# Altium PCB LimeSDR_Mini_1v0_Rounded.PcbDoc (part 1 of 5) (continued)
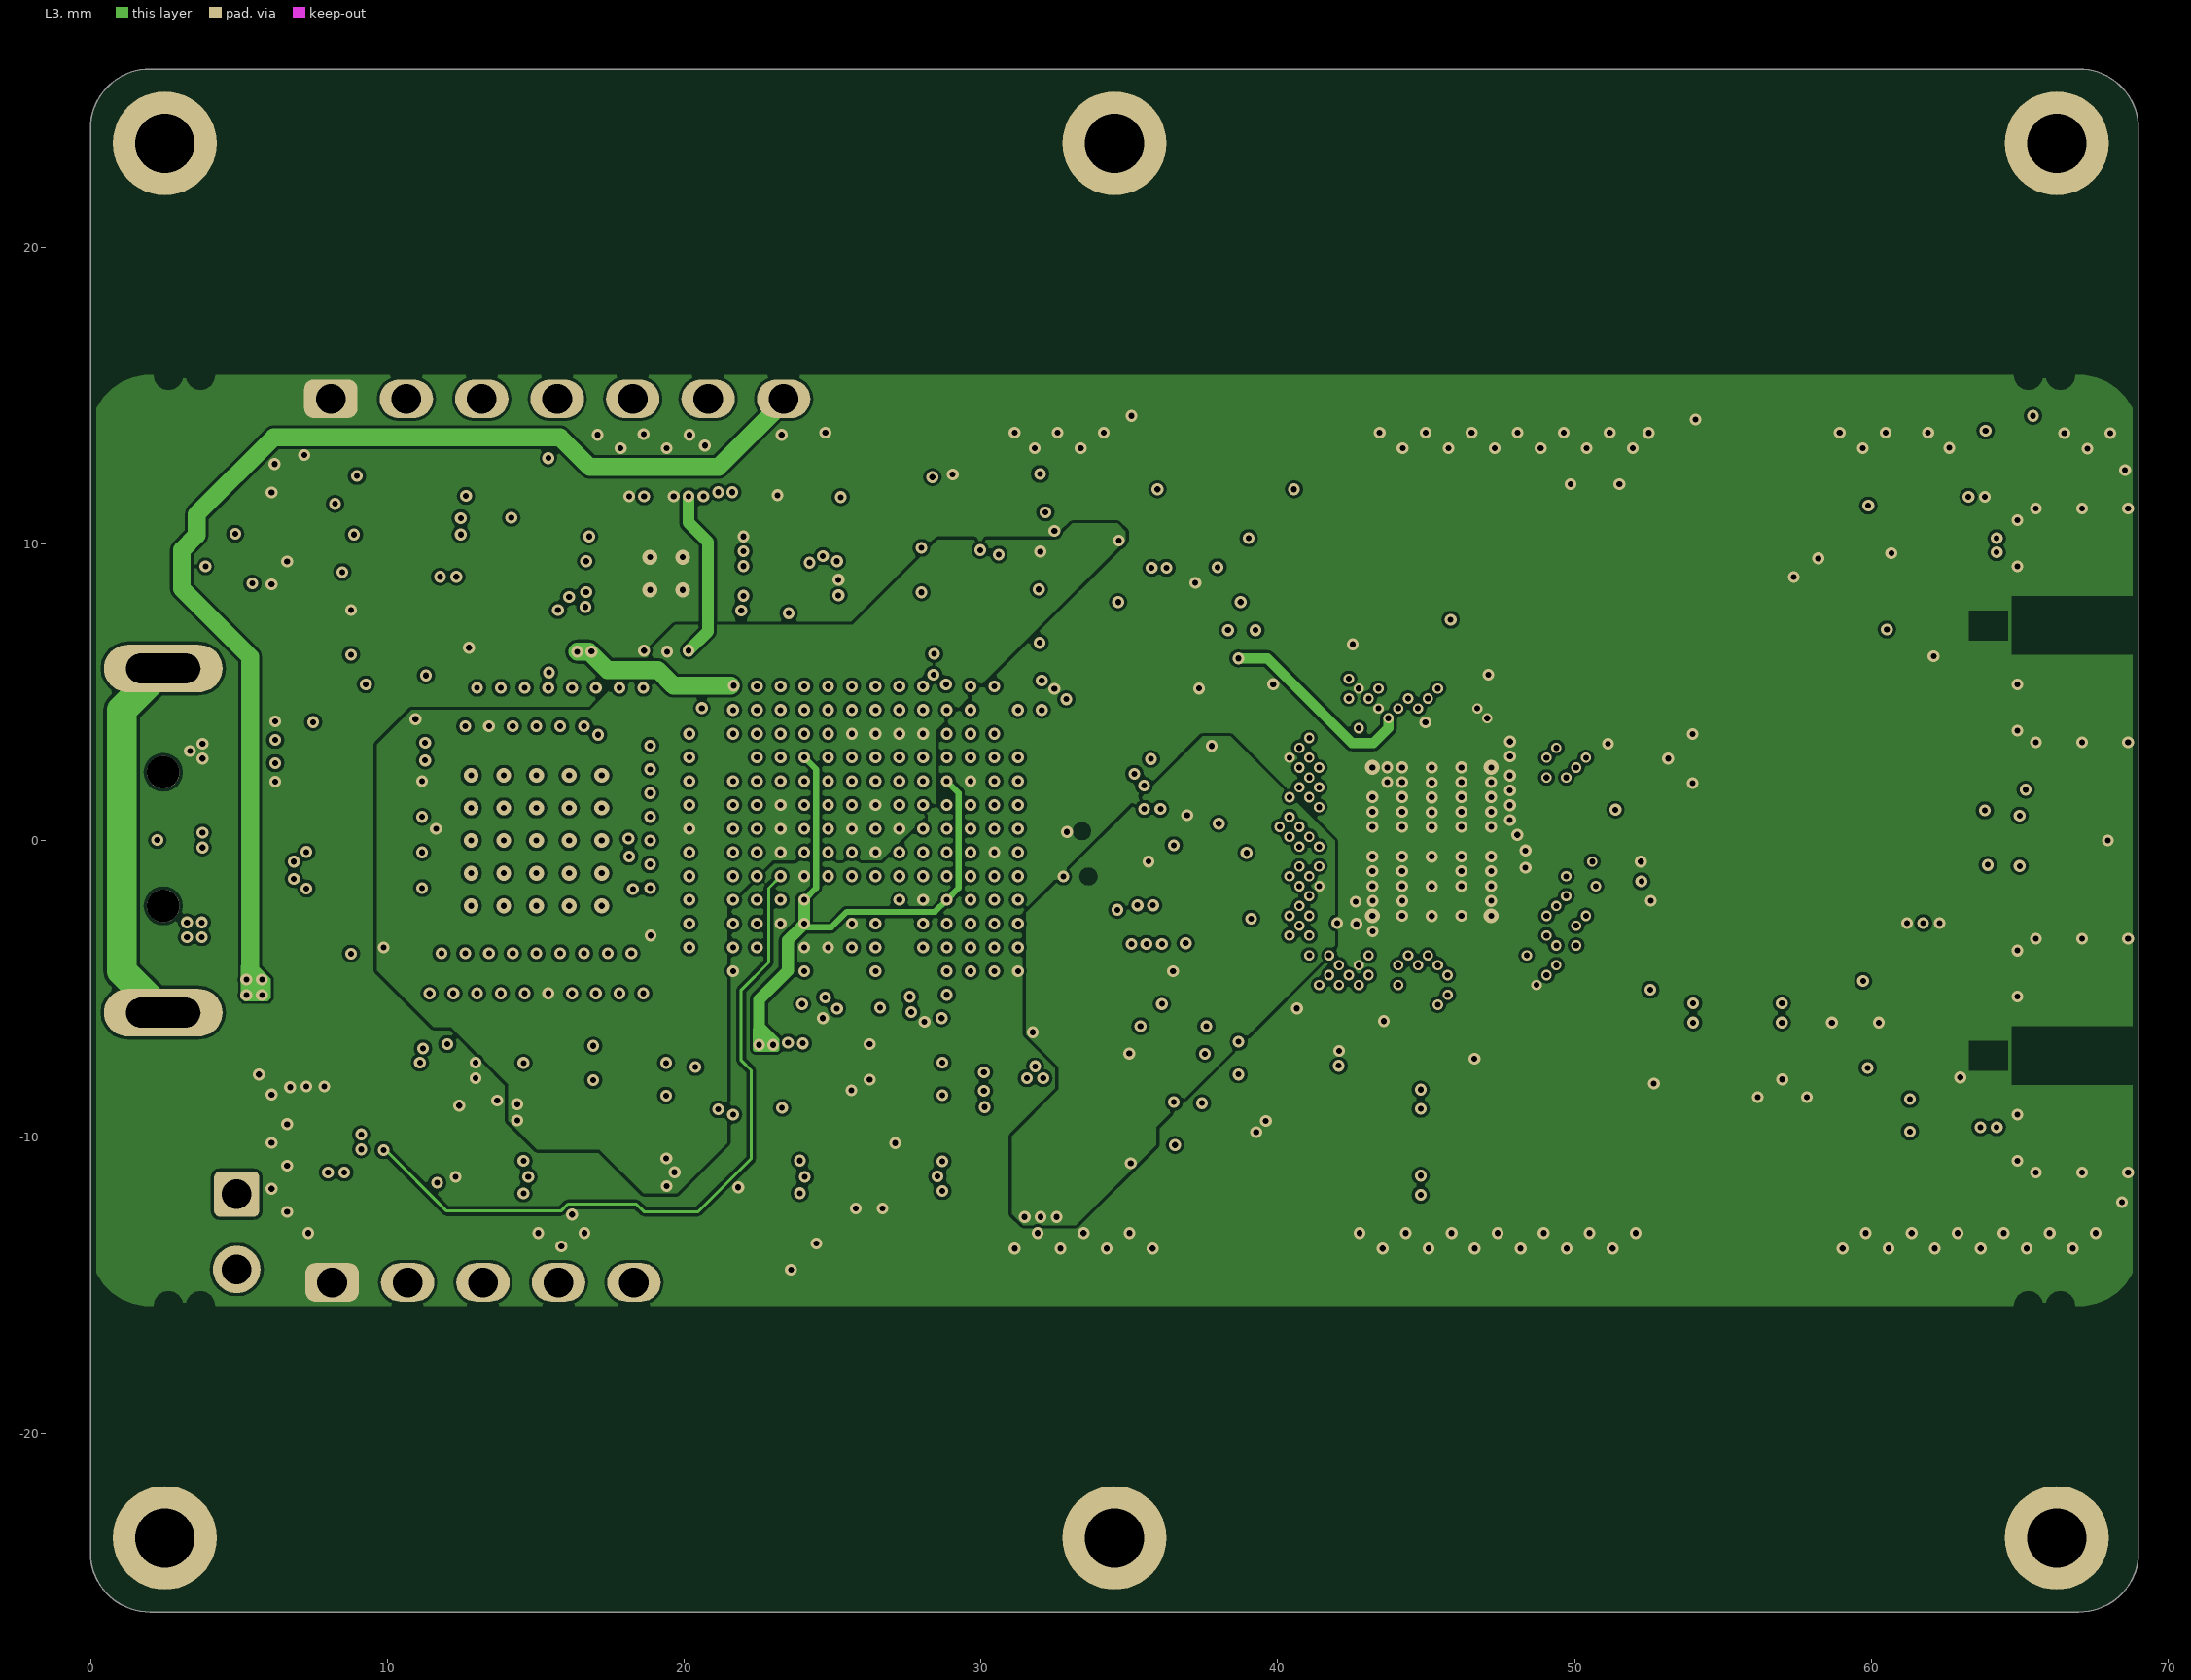
[diagram p3: L3]
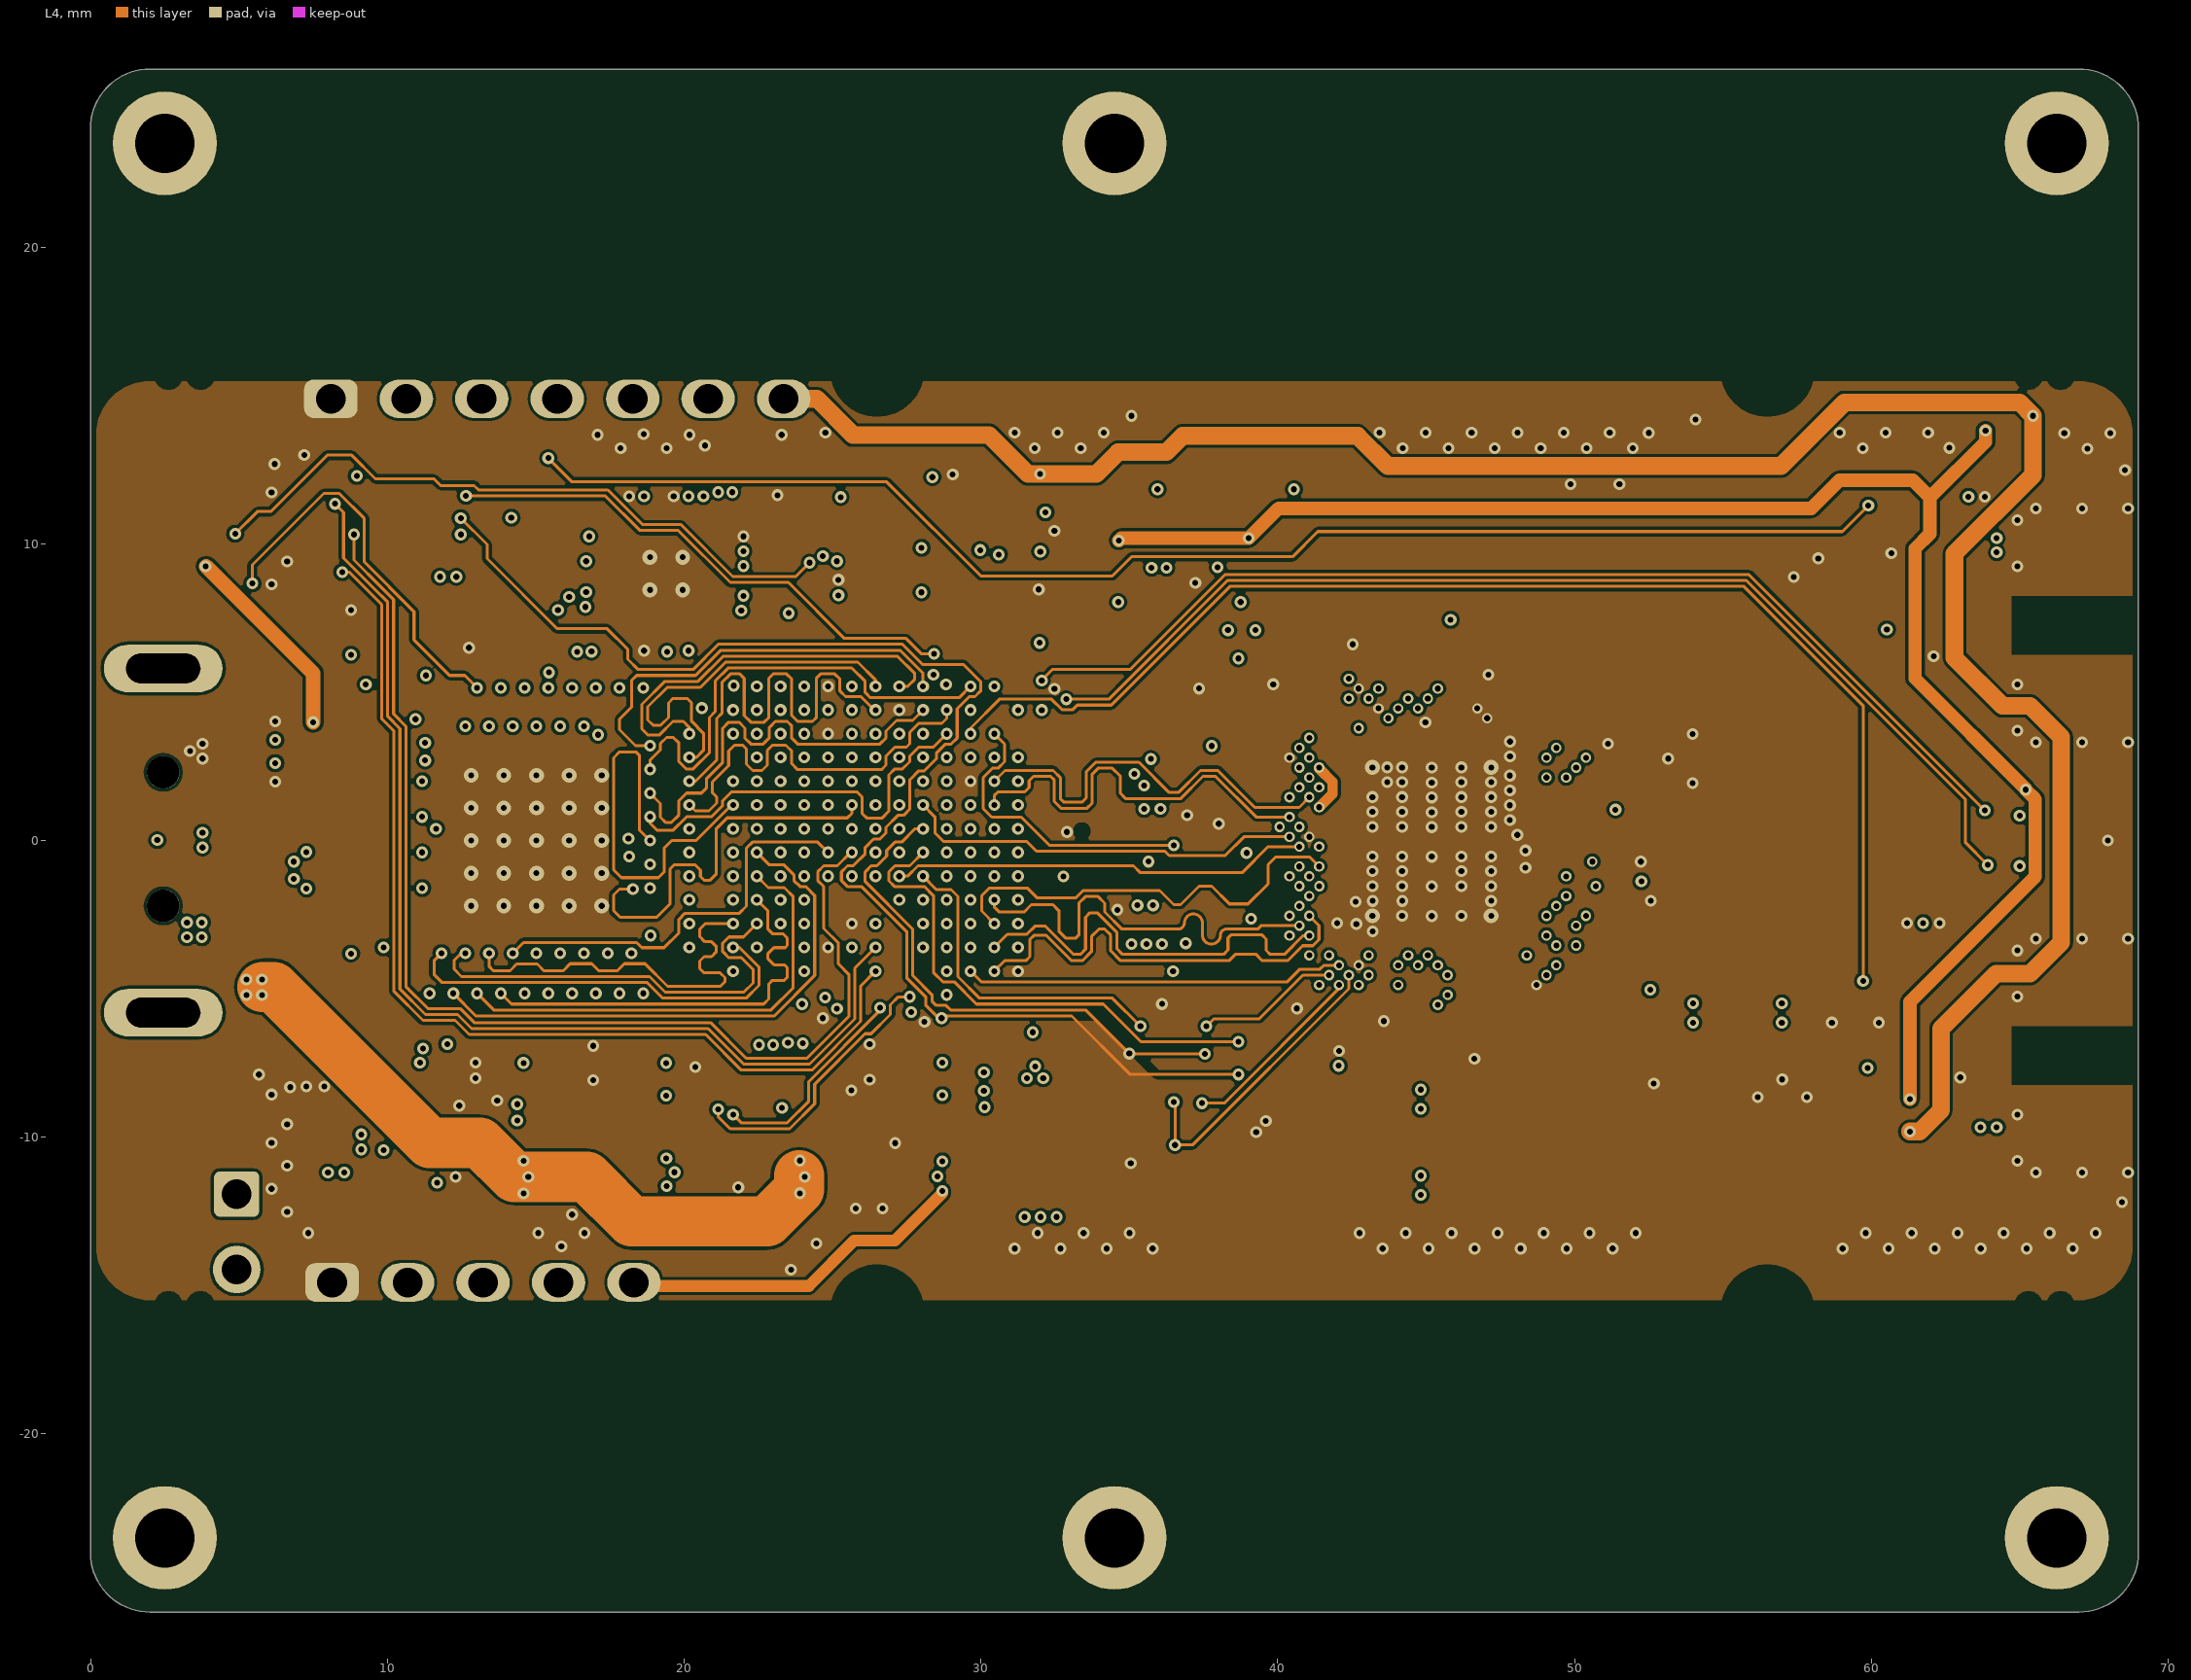
[diagram p4: L4]
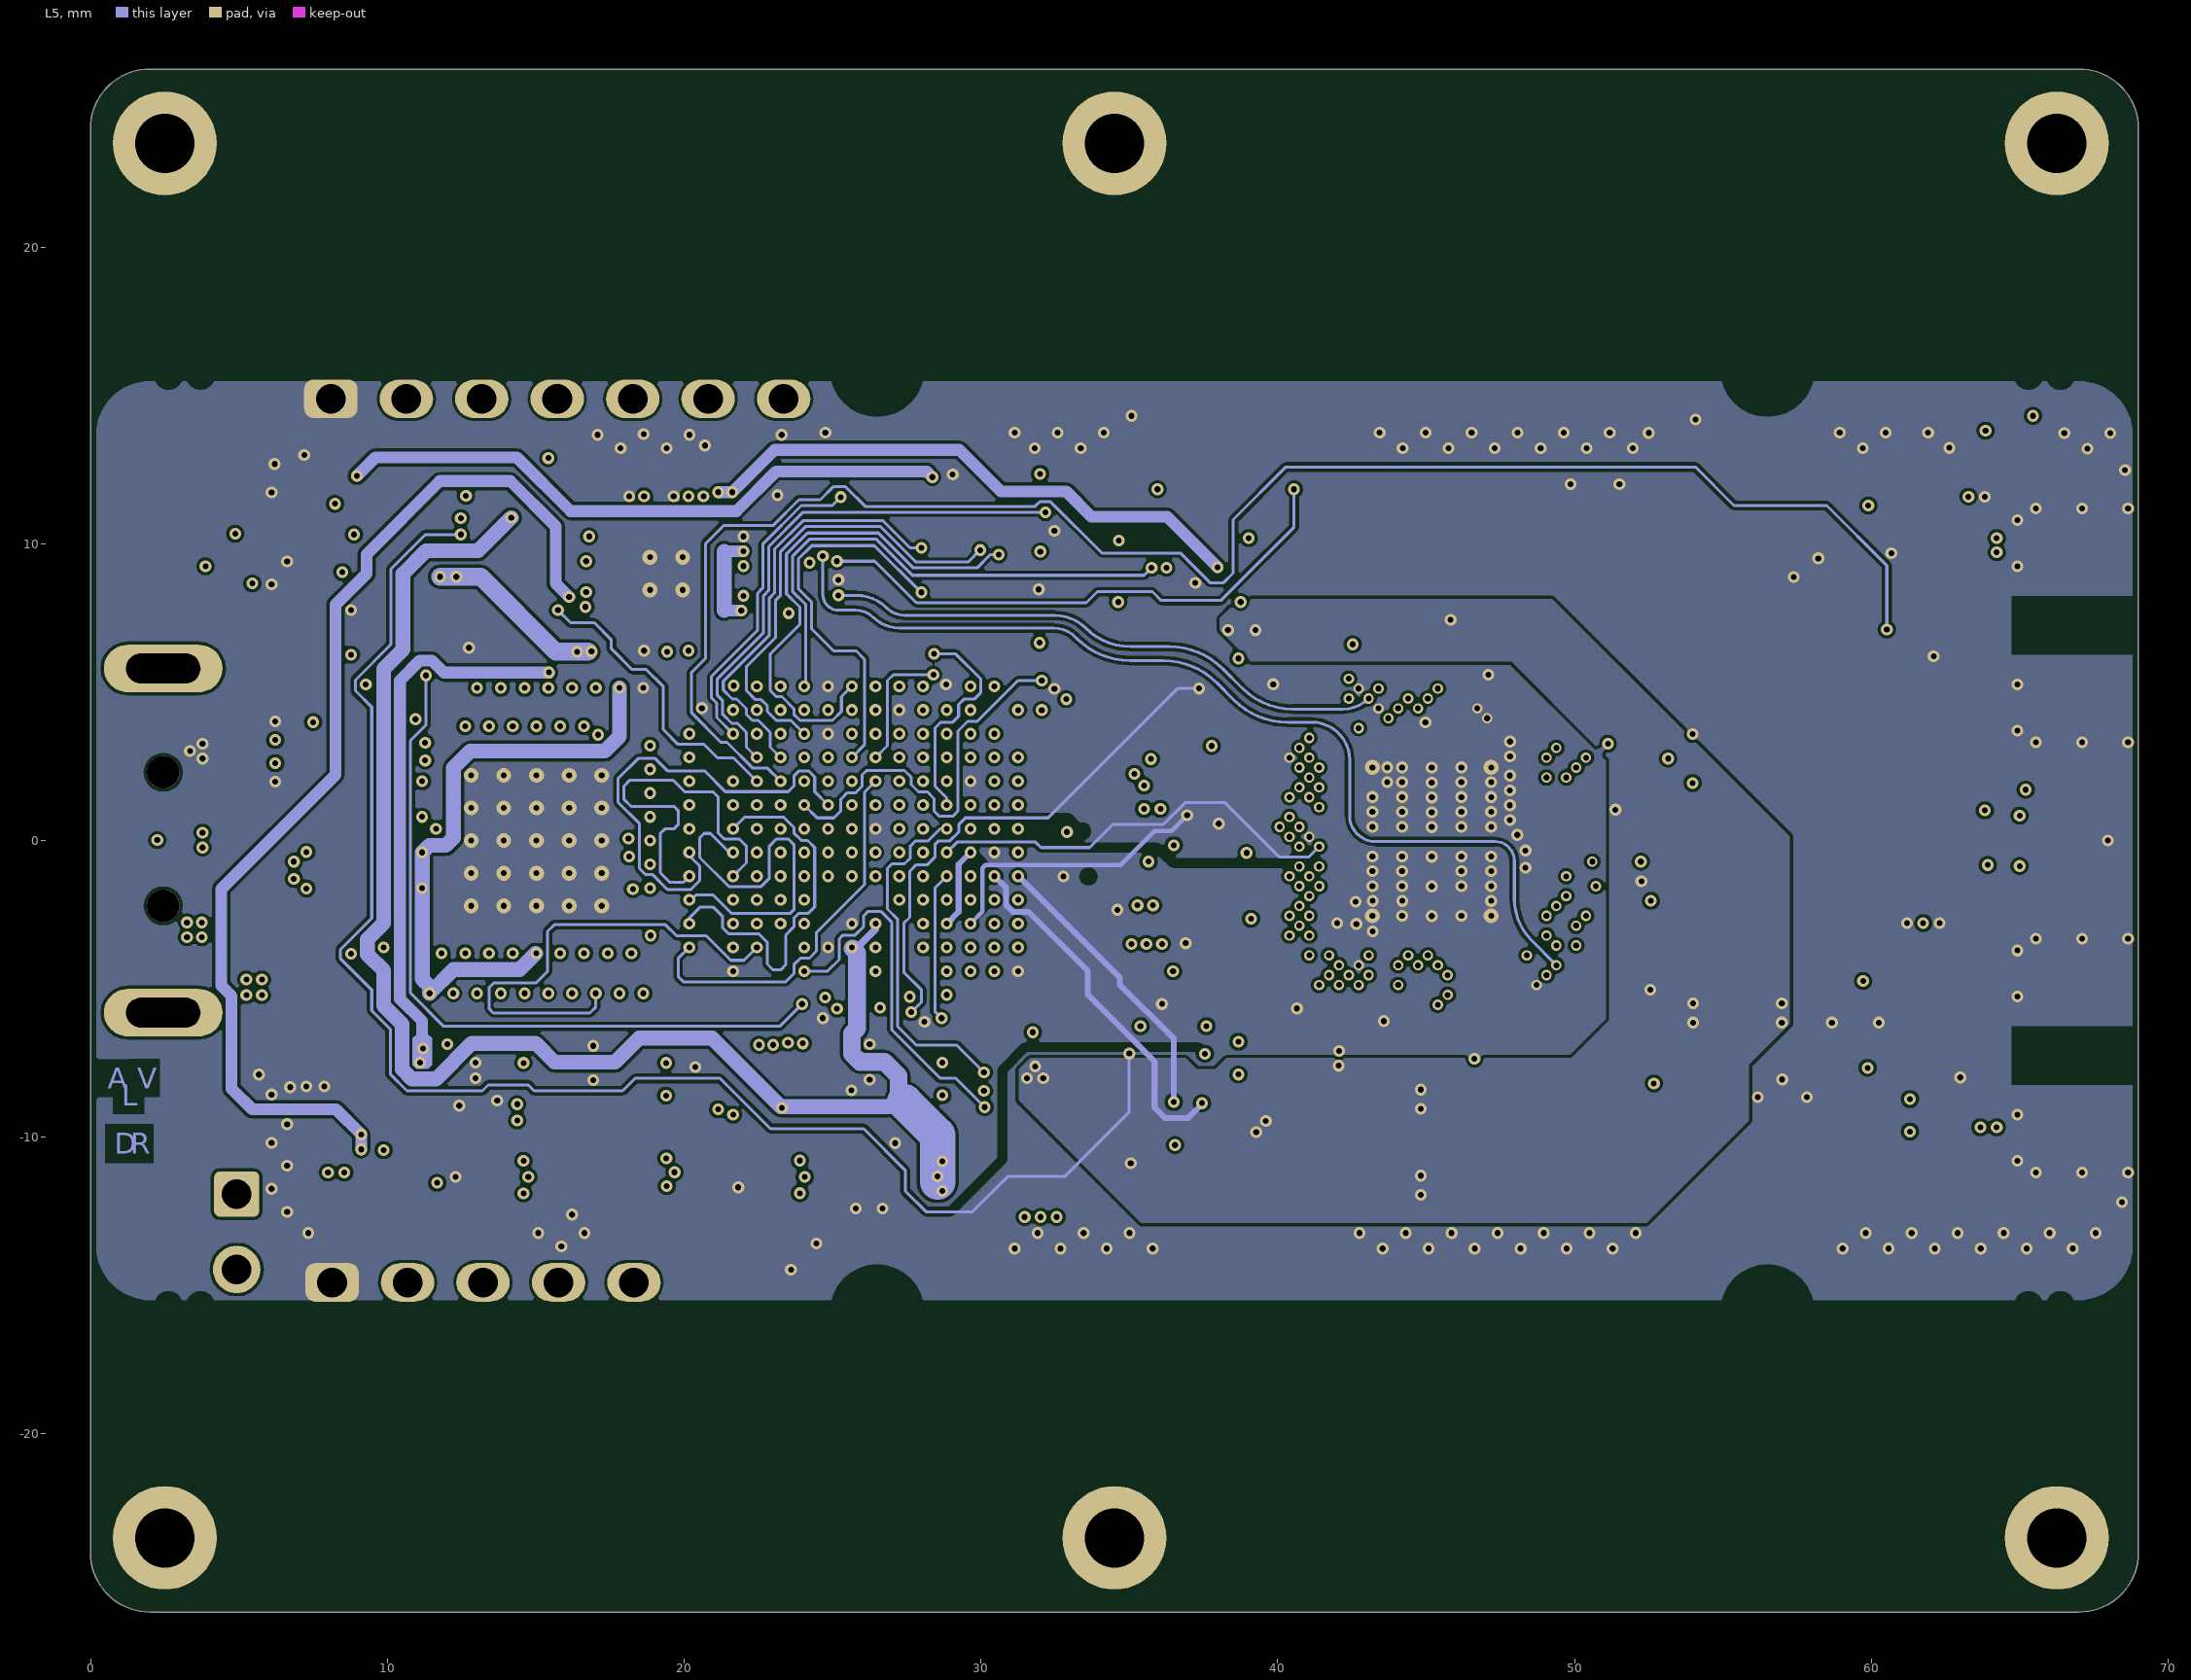
[diagram p5: L5]
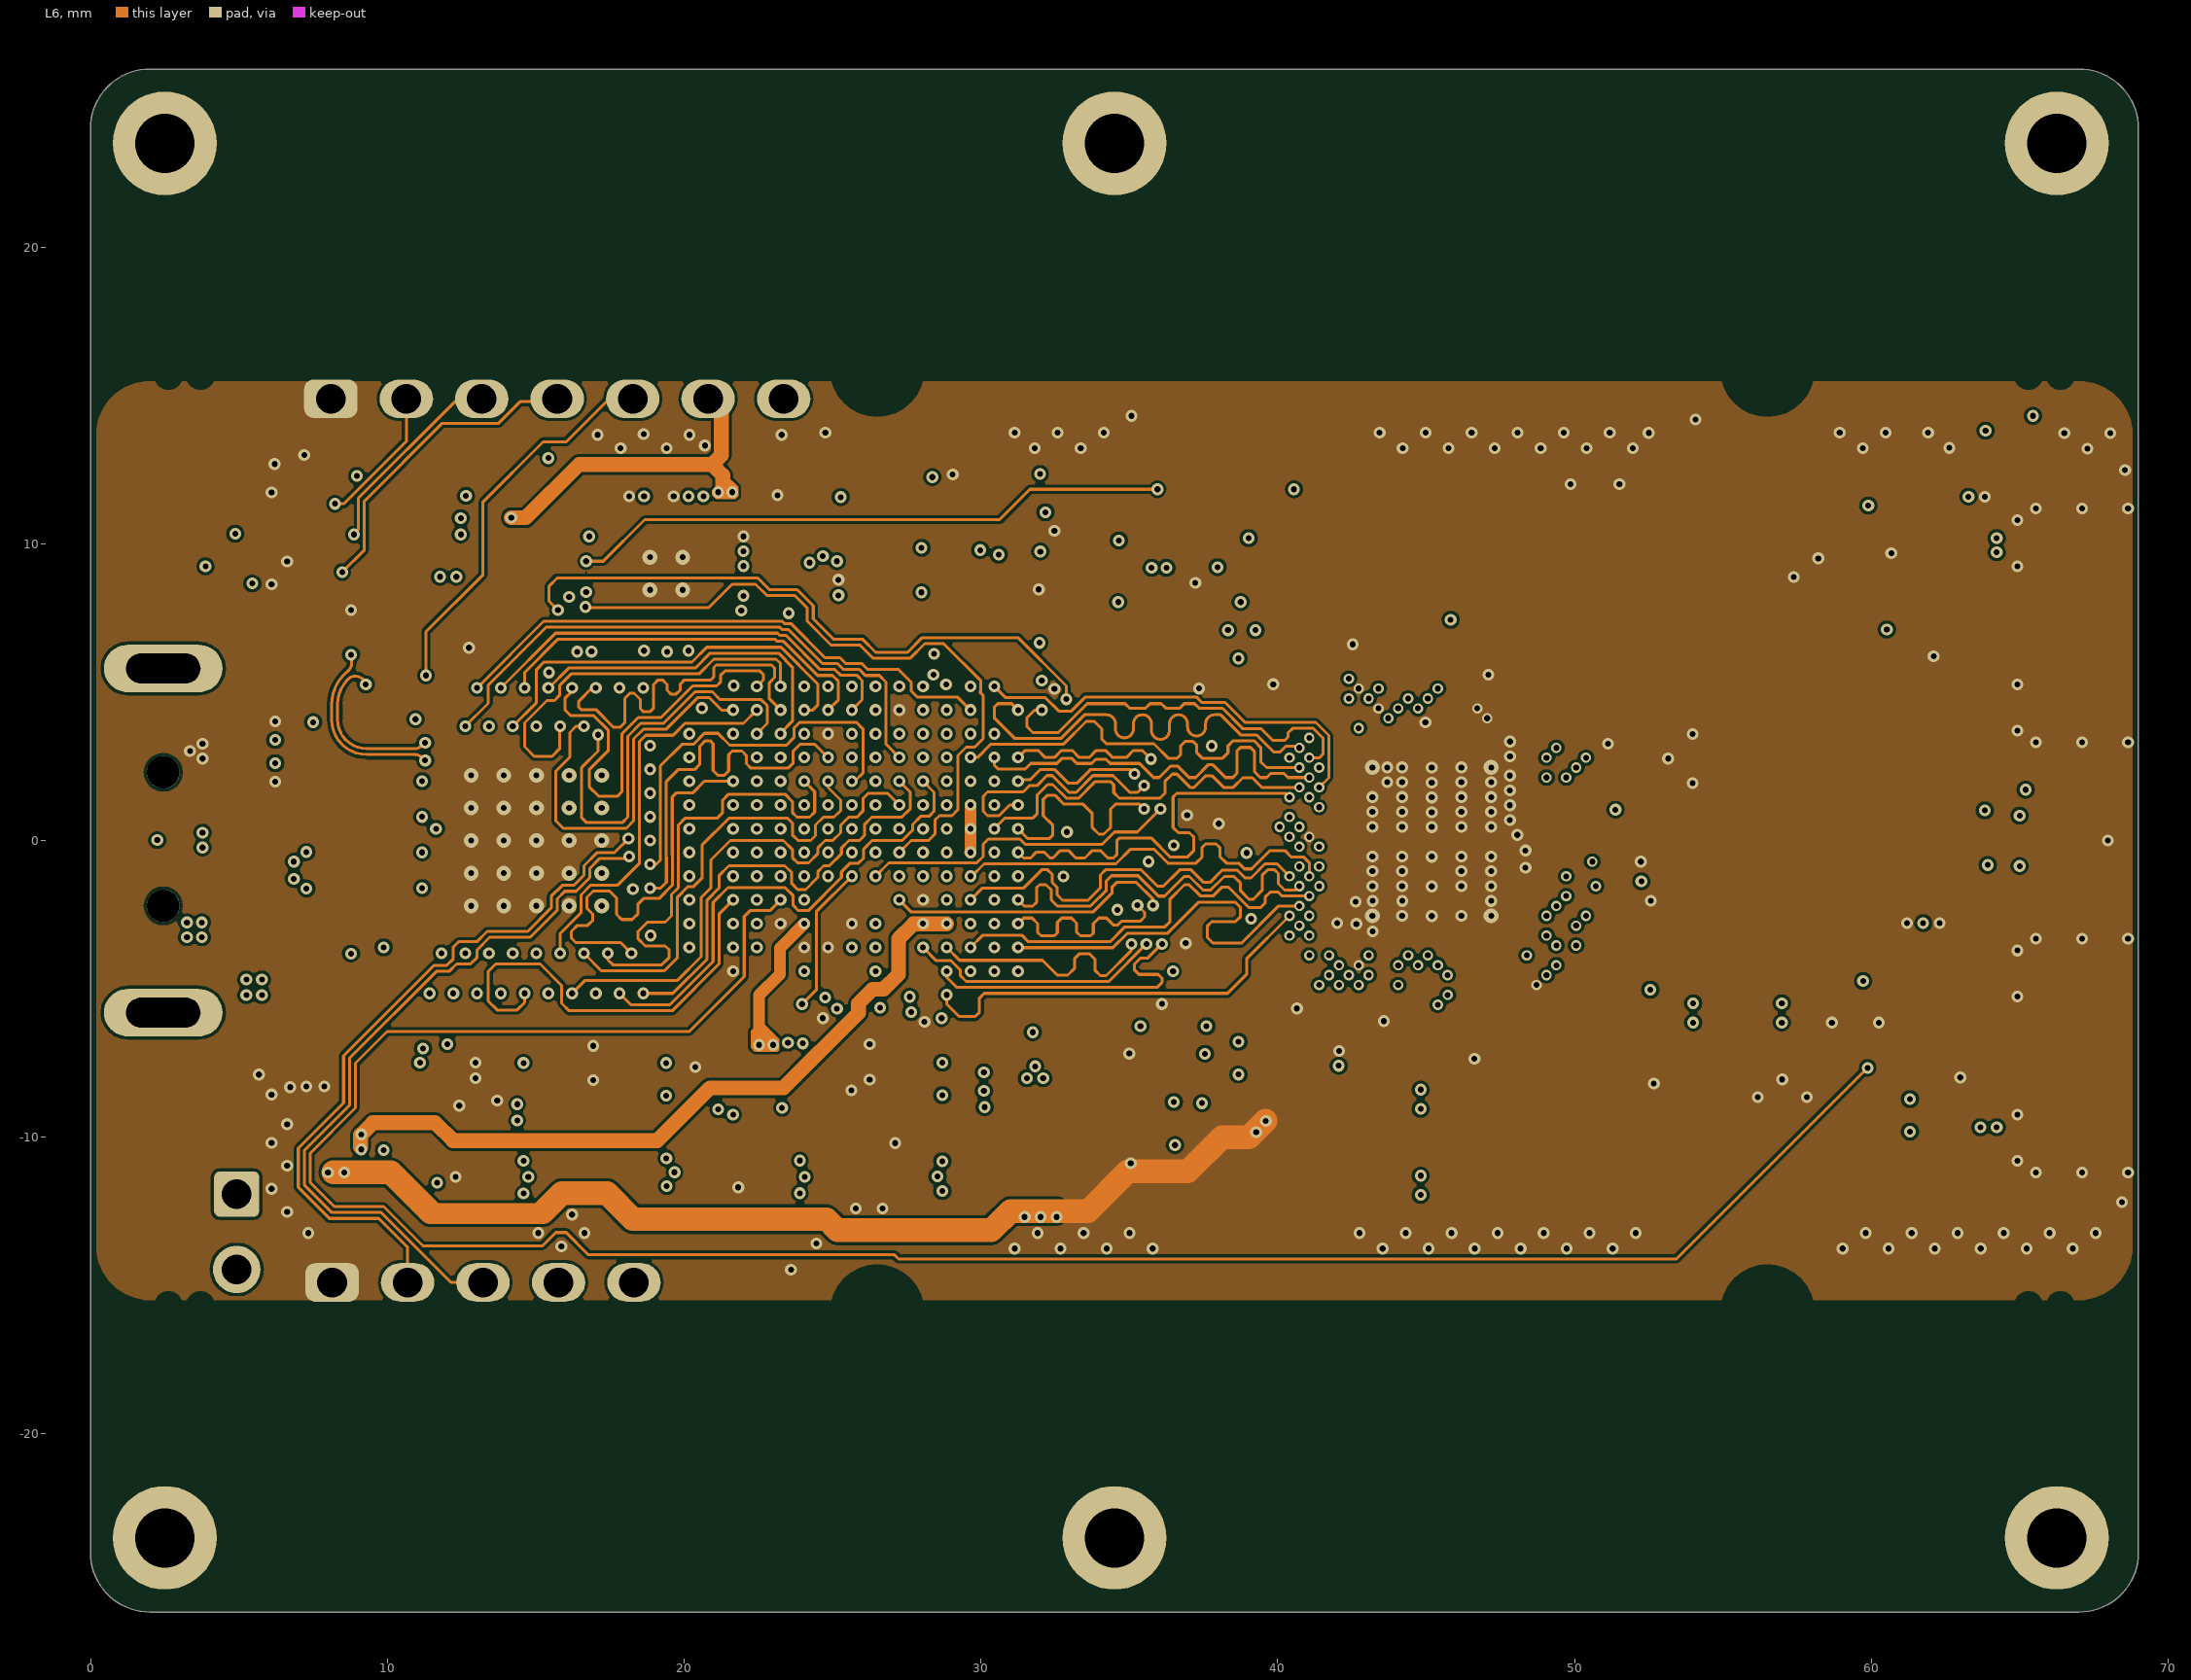
[diagram p6: L6]